# KiCad board Smart LED WS2812B Ring7.kicad_pcb (continued)
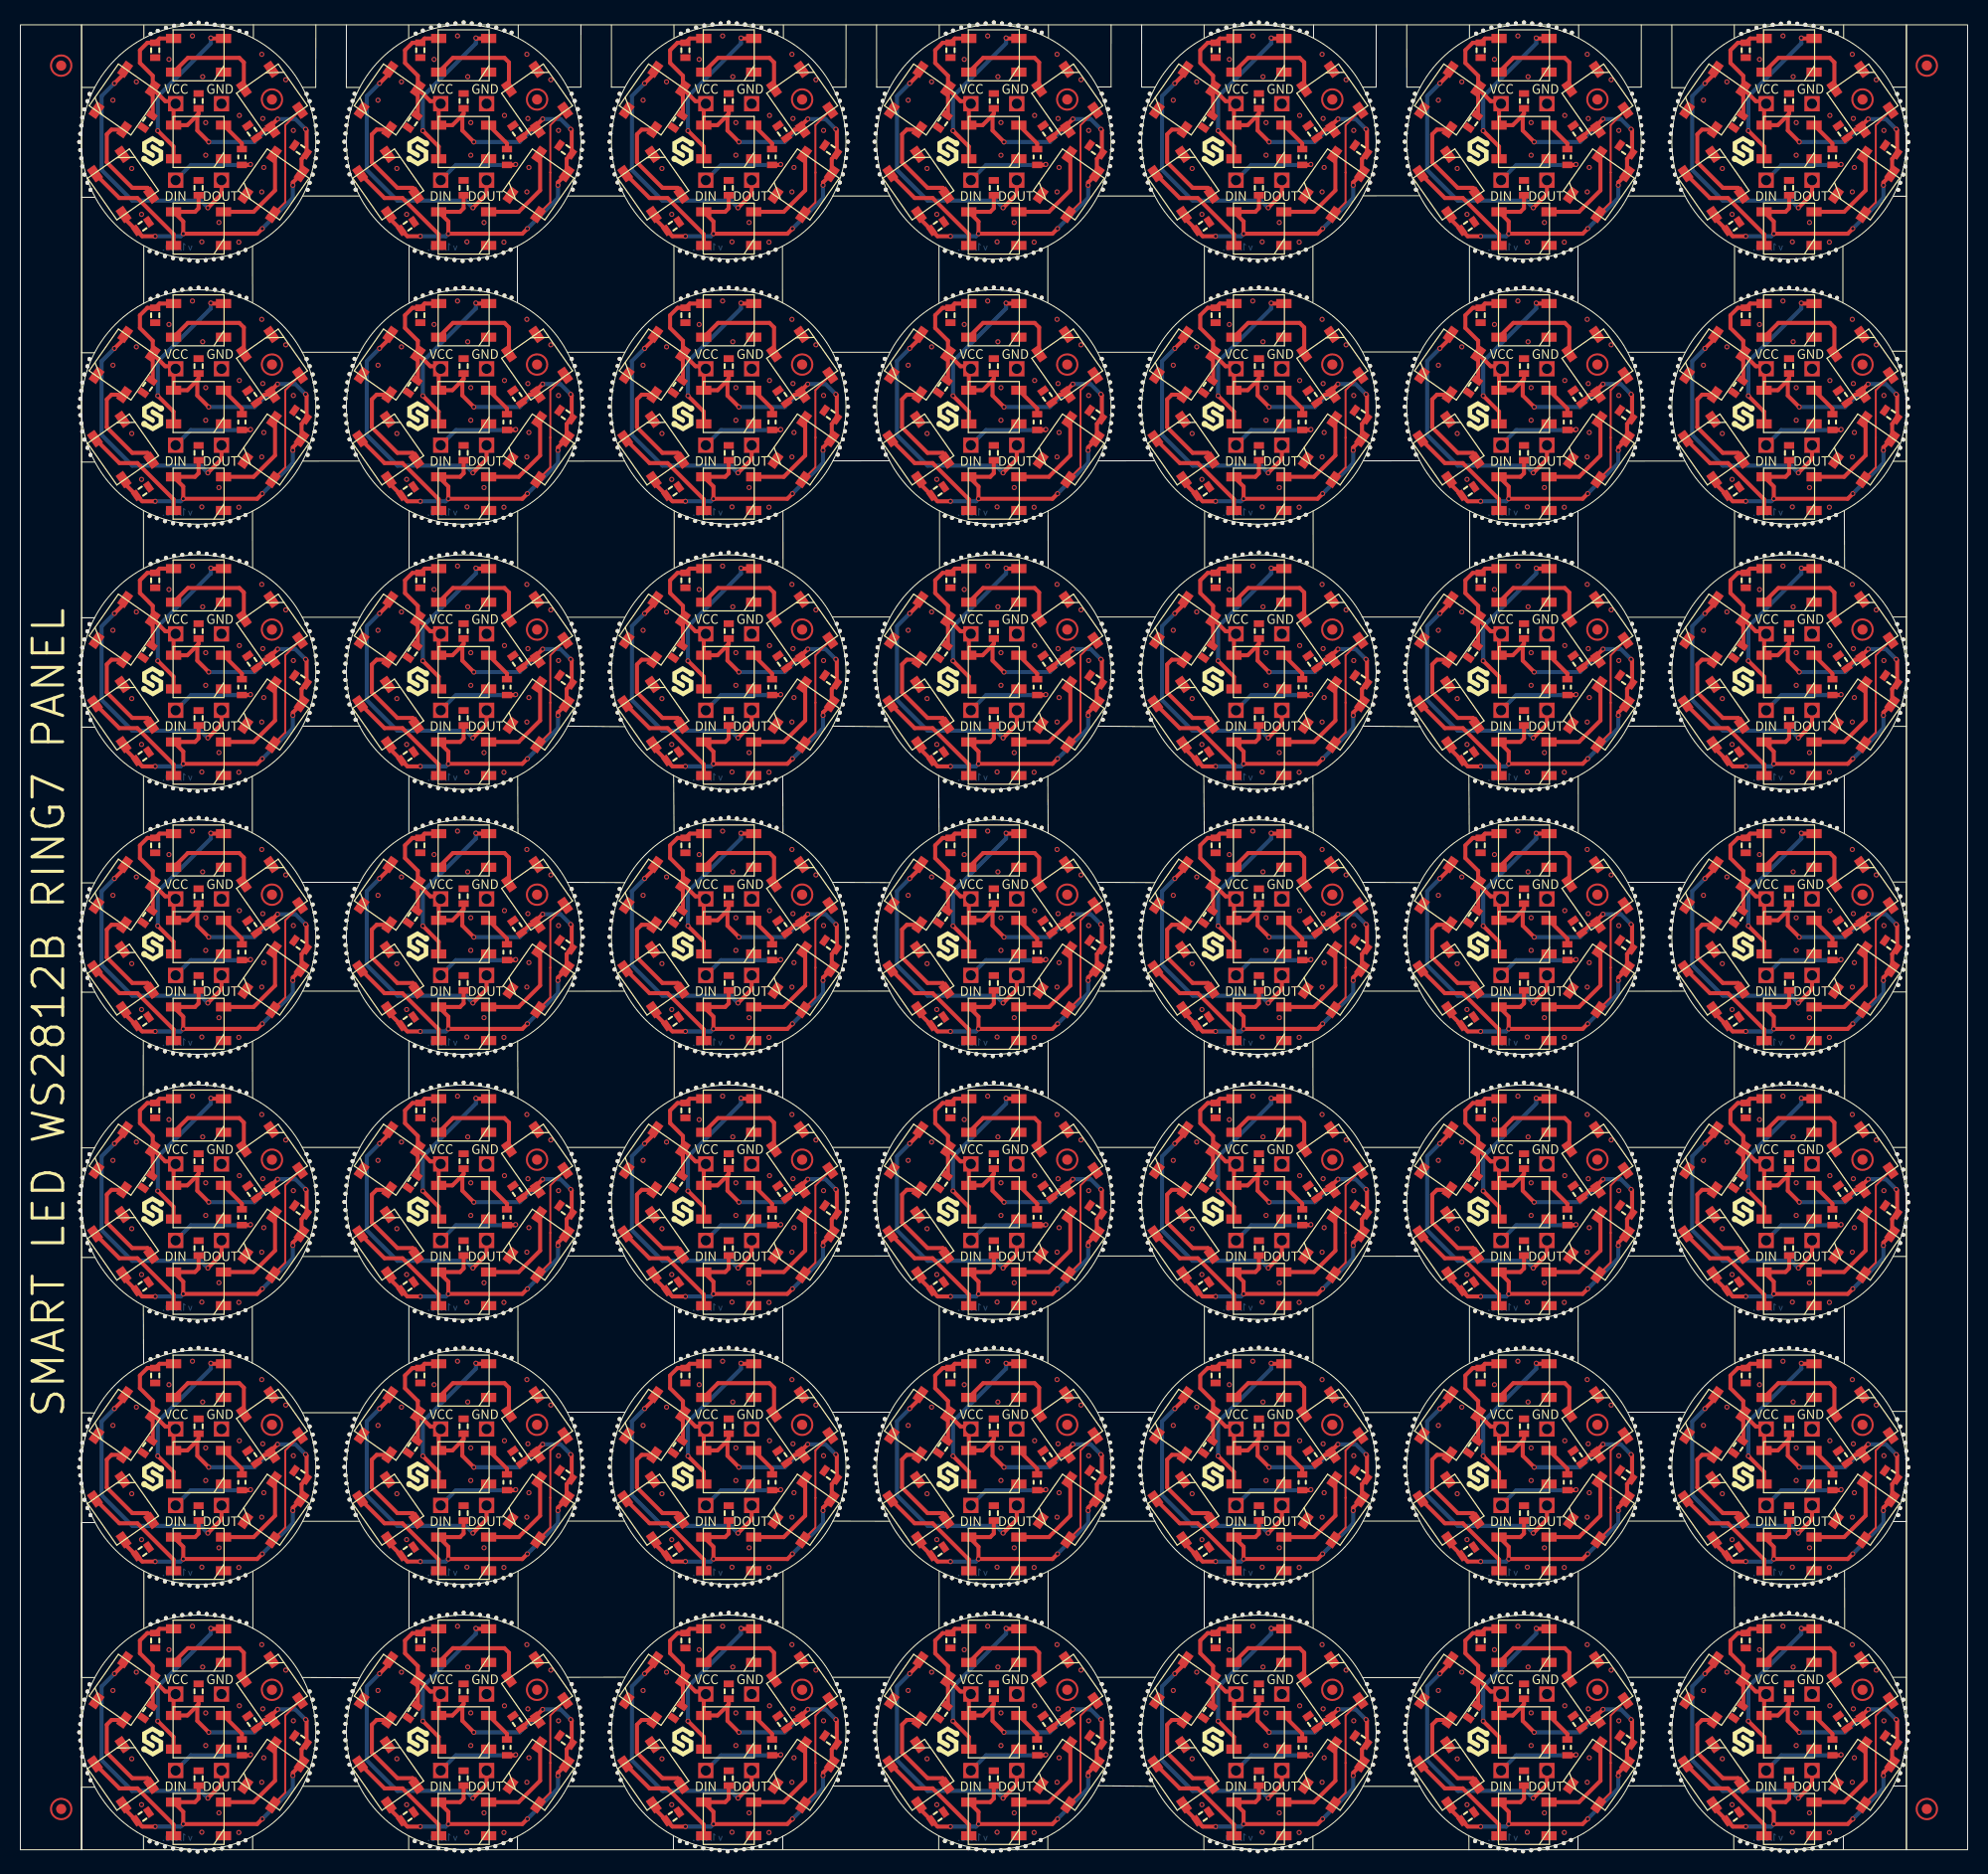
[diagram p0: board, top side]
## Placement (name value [footprint] x y rotation side) (continued)
FD1#51  FIDUCIAL  [FIDUCIAL_23]  76.68 145.7 0 top
FD1#52  FIDUCIAL  [FIDUCIAL_23]  76.68 171.7 0 top
FD1#53  FIDUCIAL  [FIDUCIAL_23]  102.68 119.7 0 top
G***  LOGO  [Logo-Front-Soldered-3mm]  168.97 140.63 0 top
G***#2  LOGO  [Logo-Back-OSH-3.5mm]  121.68 133.33 0 top
G***#3  LOGO  [Logo-Front-Soldered-3mm]  142.97 140.63 0 top
G***#4  LOGO  [Logo-Front-Soldered-3mm]  38.97 36.63 0 top
G***#5  LOGO  [Logo-Front-Soldered-3mm]  142.97 114.63 0 top
G***#6  LOGO  [Logo-Back-OSH-3.5mm]  147.68 159.33 0 top
G***#7  LOGO  [Logo-Back-OSH-3.5mm]  147.68 133.33 0 top
G***#8  LOGO  [Logo-Back-OSH-3.5mm]  121.68 3.33 0 top
G***#9  LOGO  [Logo-Back-OSH-3.5mm]  69.68 81.33 0 top
G***#10  LOGO  [Logo-Front-Soldered-3mm]  142.97 88.63 0 top
G***#11  LOGO  [Logo-Back-OSH-3.5mm]  95.68 107.33 0 top
G***#12  LOGO  [Logo-Back-OSH-3.5mm]  17.67 133.33 0 top
G***#13  LOGO  [Logo-Front-Soldered-3mm]  90.97 114.63 0 top
G***#14  LOGO  [Logo-Back-OSH-3.5mm]  17.67 159.33 0 top
G***#15  LOGO  [Logo-Front-Soldered-3mm]  90.97 88.63 0 top
G***#16  LOGO  [Logo-Back-OSH-3.5mm]  173.68 133.33 0 top
G***#17  LOGO  [Logo-Front-Soldered-3mm]  168.97 114.63 0 top
G***#18  LOGO  [Logo-Back-OSH-3.5mm]  17.67 29.33 0 top
G***#19  LOGO  [Logo-Back-OSH-3.5mm]  95.68 55.33 0 top
G***#20  LOGO  [Logo-Front-Soldered-3mm]  38.97 10.63 0 top
G***#21  LOGO  [Logo-Back-OSH-3.5mm]  17.67 81.33 0 top
G***#22  LOGO  [Logo-Back-OSH-3.5mm]  95.68 81.33 0 top
G***#23  LOGO  [Logo-Back-OSH-3.5mm]  173.68 81.33 0 top
G***#24  LOGO  [Logo-Front-Soldered-3mm]  38.97 88.63 0 top
G***#25  LOGO  [Logo-Back-OSH-3.5mm]  173.68 29.33 0 top
G***#26  LOGO  [Logo-Back-OSH-3.5mm]  95.68 133.33 0 top
G***#27  LOGO  [Logo-Back-OSH-3.5mm]  69.68 107.33 0 top
G***#28  LOGO  [Logo-Back-OSH-3.5mm]  121.68 55.33 0 top
G***#29  LOGO  [Logo-Front-Soldered-3mm]  168.97 166.63 0 top
G***#30  LOGO  [Logo-Front-Soldered-3mm]  90.97 36.63 0 top
G***#31  LOGO  [Logo-Front-Soldered-3mm]  116.97 36.63 0 top
G***#32  LOGO  [Logo-Front-Soldered-3mm]  38.97 140.63 0 top
G***#33  LOGO  [Logo-Back-OSH-3.5mm]  17.67 3.33 0 top
G***#34  LOGO  [Logo-Back-OSH-3.5mm]  173.68 3.33 0 top
G***#35  LOGO  [Logo-Back-OSH-3.5mm]  147.68 3.33 0 top
G***#36  LOGO  [Logo-Back-OSH-3.5mm]  147.68 81.33 0 top
G***#37  LOGO  [Logo-Back-OSH-3.5mm]  121.68 29.33 0 top
G***#38  LOGO  [Logo-Front-Soldered-3mm]  116.97 88.63 0 top
G***#39  LOGO  [Logo-Back-OSH-3.5mm]  147.68 29.33 0 top
G***#40  LOGO  [Logo-Front-Soldered-3mm]  116.97 166.63 0 top
G***#41  LOGO  [Logo-Back-OSH-3.5mm]  121.68 159.33 0 top
G***#42  LOGO  [Logo-Front-Soldered-3mm]  12.97 140.63 0 top
G***#43  LOGO  [Logo-Front-Soldered-3mm]  116.97 114.63 0 top
G***#44  LOGO  [Logo-Front-Soldered-3mm]  64.97 88.63 0 top
G***#45  LOGO  [Logo-Front-Soldered-3mm]  64.97 36.63 0 top
G***#46  LOGO  [Logo-Front-Soldered-3mm]  38.97 114.63 0 top
G***#47  LOGO  [Logo-Back-OSH-3.5mm]  69.68 3.33 0 top
G***#48  LOGO  [Logo-Front-Soldered-3mm]  168.97 36.63 0 top
G***#49  LOGO  [Logo-Back-OSH-3.5mm]  43.67 133.33 0 top
G***#50  LOGO  [Logo-Front-Soldered-3mm]  12.97 62.63 0 top
G***#51  LOGO  [Logo-Front-Soldered-3mm]  12.97 114.63 0 top
G***#52  LOGO  [Logo-Front-Soldered-3mm]  116.97 140.63 0 top
G***#53  LOGO  [Logo-Front-Soldered-3mm]  142.97 36.63 0 top
G***#54  LOGO  [Logo-Front-Soldered-3mm]  116.97 62.63 0 top
G***#55  LOGO  [Logo-Back-OSH-3.5mm]  95.68 29.33 0 top
G***#56  LOGO  [Logo-Back-OSH-3.5mm]  17.67 107.33 0 top
G***#57  LOGO  [Logo-Front-Soldered-3mm]  90.97 140.63 0 top
G***#58  LOGO  [Logo-Front-Soldered-3mm]  64.97 62.63 0 top
G***#59  LOGO  [Logo-Back-OSH-3.5mm]  43.67 81.33 0 top
G***#60  LOGO  [Logo-Front-Soldered-3mm]  38.97 62.63 0 top
G***#61  LOGO  [Logo-Front-Soldered-3mm]  12.97 88.63 0 top
G***#62  LOGO  [Logo-Back-OSH-3.5mm]  69.68 133.33 0 top
G***#63  LOGO  [Logo-Front-Soldered-3mm]  116.97 10.63 0 top
G***#64  LOGO  [Logo-Back-OSH-3.5mm]  173.68 159.33 0 top
G***#65  LOGO  [Logo-Back-OSH-3.5mm]  147.68 55.33 0 top
G***#66  LOGO  [Logo-Front-Soldered-3mm]  90.97 10.63 0 top
G***#67  LOGO  [Logo-Back-OSH-3.5mm]  69.68 159.33 0 top
G***#68  LOGO  [Logo-Front-Soldered-3mm]  142.97 166.63 0 top
G***#69  LOGO  [Logo-Front-Soldered-3mm]  168.97 10.63 0 top
G***#70  LOGO  [Logo-Front-Soldered-3mm]  12.97 36.63 0 top
G***#71  LOGO  [Logo-Front-Soldered-3mm]  90.97 62.63 0 top
G***#72  LOGO  [Logo-Front-Soldered-3mm]  12.97 10.63 0 top
G***#73  LOGO  [Logo-Back-OSH-3.5mm]  95.68 3.33 0 top
G***#74  LOGO  [Logo-Back-OSH-3.5mm]  43.67 107.33 0 top
G***#75  LOGO  [Logo-Front-Soldered-3mm]  64.97 114.63 0 top
G***#76  LOGO  [Logo-Back-OSH-3.5mm]  43.67 3.33 0 top
G***#77  LOGO  [Logo-Back-OSH-3.5mm]  147.68 107.33 0 top
G***#78  LOGO  [Logo-Back-OSH-3.5mm]  121.68 107.33 0 top
G***#79  LOGO  [Logo-Front-Soldered-3mm]  38.97 166.63 0 top
G***#80  LOGO  [Logo-Front-Soldered-3mm]  142.97 62.63 0 top
G***#81  LOGO  [Logo-Back-OSH-3.5mm]  17.67 55.33 0 top
G***#82  LOGO  [Logo-Front-Soldered-3mm]  64.97 140.63 0 top
G***#83  LOGO  [Logo-Front-Soldered-3mm]  142.97 10.63 0 top
G***#84  LOGO  [Logo-Back-OSH-3.5mm]  69.68 55.33 0 top
G***#85  LOGO  [Logo-Back-OSH-3.5mm]  43.67 159.33 0 top
G***#86  LOGO  [Logo-Back-OSH-3.5mm]  121.68 81.33 0 top
G***#87  LOGO  [Logo-Back-OSH-3.5mm]  69.68 29.33 0 top
G***#88  LOGO  [Logo-Front-Soldered-3mm]  64.97 10.63 0 top
G***#89  LOGO  [Logo-Front-Soldered-3mm]  168.97 62.63 0 top
G***#90  LOGO  [Logo-Back-OSH-3.5mm]  173.68 107.33 0 top
G***#91  LOGO  [Logo-Front-Soldered-3mm]  168.97 88.63 0 top
G***#92  LOGO  [Logo-Back-OSH-3.5mm]  173.68 55.33 0 top
G***#93  LOGO  [Logo-Front-Soldered-3mm]  12.97 166.63 0 top
G***#94  LOGO  [Logo-Back-OSH-3.5mm]  43.67 29.33 0 top
G***#95  LOGO  [Logo-Back-OSH-3.5mm]  95.68 159.33 0 top
G***#96  LOGO  [Logo-Front-Soldered-3mm]  90.97 166.63 0 top
G***#97  LOGO  [Logo-Back-OSH-3.5mm]  43.67 55.33 0 top
G***#98  LOGO  [Logo-Front-Soldered-3mm]  64.97 166.63 0 top
kibuzzard-651575D0  G***  [kibuzzard-651575D0]  123.68 6.23 0 top
kibuzzard-651575D0#2  G***  [kibuzzard-651575D0]  19.67 58.23 0 top
kibuzzard-651575D0#3  G***  [kibuzzard-651575D0]  175.68 162.23 0 top
kibuzzard-651575D0#4  G***  [kibuzzard-651575D0]  71.68 58.23 0 top
kibuzzard-651575D0#5  G***  [kibuzzard-651575D0]  175.68 32.23 0 top
kibuzzard-651575D0#6  G***  [kibuzzard-651575D0]  45.67 162.23 0 top
kibuzzard-651575D0#7  G***  [kibuzzard-651575D0]  123.68 162.23 0 top
kibuzzard-651575D0#8  G***  [kibuzzard-651575D0]  19.67 110.23 0 top
kibuzzard-651575D0#9  G***  [kibuzzard-651575D0]  19.67 84.23 0 top
kibuzzard-651575D0#10  G***  [kibuzzard-651575D0]  149.68 6.23 0 top
kibuzzard-651575D0#11  G***  [kibuzzard-651575D0]  45.67 84.23 0 top
kibuzzard-651575D0#12  G***  [kibuzzard-651575D0]  19.67 32.23 0 top
kibuzzard-651575D0#13  G***  [kibuzzard-651575D0]  123.68 110.23 0 top
kibuzzard-651575D0#14  G***  [kibuzzard-651575D0]  123.68 58.23 0 top
kibuzzard-651575D0#15  G***  [kibuzzard-651575D0]  71.68 32.23 0 top
kibuzzard-651575D0#16  G***  [kibuzzard-651575D0]  175.68 6.23 0 top
kibuzzard-651575D0#17  G***  [kibuzzard-651575D0]  71.68 84.23 0 top
kibuzzard-651575D0#18  G***  [kibuzzard-651575D0]  149.68 58.23 0 top
kibuzzard-651575D0#19  G***  [kibuzzard-651575D0]  123.68 32.23 0 top
kibuzzard-651575D0#20  G***  [kibuzzard-651575D0]  19.67 136.23 0 top
kibuzzard-651575D0#21  G***  [kibuzzard-651575D0]  97.68 58.23 0 top
kibuzzard-651575D0#22  G***  [kibuzzard-651575D0]  45.67 110.23 0 top
kibuzzard-651575D0#23  G***  [kibuzzard-651575D0]  71.68 110.23 0 top
kibuzzard-651575D0#24  G***  [kibuzzard-651575D0]  175.68 136.23 0 top
kibuzzard-651575D0#25  G***  [kibuzzard-651575D0]  97.68 6.23 0 top
kibuzzard-651575D0#26  G***  [kibuzzard-651575D0]  175.68 84.23 0 top
kibuzzard-651575D0#27  G***  [kibuzzard-651575D0]  97.68 32.23 0 top
kibuzzard-651575D0#28  G***  [kibuzzard-651575D0]  71.68 6.23 0 top
kibuzzard-651575D0#29  G***  [kibuzzard-651575D0]  19.67 6.23 0 top
kibuzzard-651575D0#30  G***  [kibuzzard-651575D0]  149.68 136.23 0 top
kibuzzard-651575D0#31  G***  [kibuzzard-651575D0]  175.68 110.23 0 top
kibuzzard-651575D0#32  G***  [kibuzzard-651575D0]  45.67 32.23 0 top
kibuzzard-651575D0#33  G***  [kibuzzard-651575D0]  45.67 58.23 0 top
kibuzzard-651575D0#34  G***  [kibuzzard-651575D0]  149.68 162.23 0 top
kibuzzard-651575D0#35  G***  [kibuzzard-651575D0]  123.68 84.23 0 top
kibuzzard-651575D0#36  G***  [kibuzzard-651575D0]  71.68 162.23 0 top
kibuzzard-651575D0#37  G***  [kibuzzard-651575D0]  123.68 136.23 0 top
kibuzzard-651575D0#38  G***  [kibuzzard-651575D0]  45.67 136.23 0 top
kibuzzard-651575D0#39  G***  [kibuzzard-651575D0]  97.68 84.23 0 top
kibuzzard-651575D0#40  G***  [kibuzzard-651575D0]  149.68 110.23 0 top
kibuzzard-651575D0#41  G***  [kibuzzard-651575D0]  97.68 110.23 0 top
kibuzzard-651575D0#42  G***  [kibuzzard-651575D0]  45.67 6.23 0 top
kibuzzard-651575D0#43  G***  [kibuzzard-651575D0]  97.68 162.23 0 top
kibuzzard-651575D0#44  G***  [kibuzzard-651575D0]  97.68 136.23 0 top
kibuzzard-651575D0#45  G***  [kibuzzard-651575D0]  71.68 136.23 0 top
kibuzzard-651575D0#46  G***  [kibuzzard-651575D0]  19.67 162.23 0 top
kibuzzard-651575D0#47  G***  [kibuzzard-651575D0]  149.68 32.23 0 top
kibuzzard-651575D0#48  G***  [kibuzzard-651575D0]  175.68 58.23 0 top
kibuzzard-651575D0#49  G***  [kibuzzard-651575D0]  149.68 84.23 0 top
kibuzzard-651575E0  G***  [kibuzzard-651575E0]  93.22 84.23 0 top
kibuzzard-651575E0#2  G***  [kibuzzard-651575E0]  93.22 6.23 0 top
kibuzzard-651575E0#3  G***  [kibuzzard-651575E0]  145.22 58.23 0 top
kibuzzard-651575E0#4  G***  [kibuzzard-651575E0]  15.22 6.23 0 top
kibuzzard-651575E0#5  G***  [kibuzzard-651575E0]  119.22 32.23 0 top
kibuzzard-651575E0#6  G***  [kibuzzard-651575E0]  15.22 84.23 0 top
kibuzzard-651575E0#7  G***  [kibuzzard-651575E0]  15.22 32.23 0 top
kibuzzard-651575E0#8  G***  [kibuzzard-651575E0]  119.22 84.23 0 top
kibuzzard-651575E0#9  G***  [kibuzzard-651575E0]  93.22 58.23 0 top
kibuzzard-651575E0#10  G***  [kibuzzard-651575E0]  171.22 58.23 0 top
kibuzzard-651575E0#11  G***  [kibuzzard-651575E0]  171.22 6.23 0 top
kibuzzard-651575E0#12  G***  [kibuzzard-651575E0]  67.22 162.23 0 top
kibuzzard-651575E0#13  G***  [kibuzzard-651575E0]  145.22 136.23 0 top
kibuzzard-651575E0#14  G***  [kibuzzard-651575E0]  171.22 32.23 0 top
kibuzzard-651575E0#15  G***  [kibuzzard-651575E0]  67.22 136.23 0 top
kibuzzard-651575E0#16  G***  [kibuzzard-651575E0]  145.22 110.23 0 top
kibuzzard-651575E0#17  G***  [kibuzzard-651575E0]  67.22 58.23 0 top
kibuzzard-651575E0#18  G***  [kibuzzard-651575E0]  119.22 136.23 0 top
kibuzzard-651575E0#19  G***  [kibuzzard-651575E0]  93.22 110.23 0 top
kibuzzard-651575E0#20  G***  [kibuzzard-651575E0]  67.22 6.23 0 top
kibuzzard-651575E0#21  G***  [kibuzzard-651575E0]  119.22 162.23 0 top
kibuzzard-651575E0#22  G***  [kibuzzard-651575E0]  93.22 136.23 0 top
kibuzzard-651575E0#23  G***  [kibuzzard-651575E0]  119.22 58.23 0 top
kibuzzard-651575E0#24  G***  [kibuzzard-651575E0]  15.22 136.23 0 top
kibuzzard-651575E0#25  G***  [kibuzzard-651575E0]  145.22 32.23 0 top
kibuzzard-651575E0#26  G***  [kibuzzard-651575E0]  171.22 84.23 0 top
kibuzzard-651575E0#27  G***  [kibuzzard-651575E0]  41.22 58.23 0 top
kibuzzard-651575E0#28  G***  [kibuzzard-651575E0]  67.22 84.23 0 top
kibuzzard-651575E0#29  G***  [kibuzzard-651575E0]  145.22 162.23 0 top
kibuzzard-651575E0#30  G***  [kibuzzard-651575E0]  145.22 84.23 0 top
kibuzzard-651575E0#31  G***  [kibuzzard-651575E0]  67.22 32.23 0 top
kibuzzard-651575E0#32  G***  [kibuzzard-651575E0]  171.22 162.23 0 top
kibuzzard-651575E0#33  G***  [kibuzzard-651575E0]  15.22 162.23 0 top
kibuzzard-651575E0#34  G***  [kibuzzard-651575E0]  41.22 162.23 0 top
kibuzzard-651575E0#35  G***  [kibuzzard-651575E0]  15.22 110.23 0 top
kibuzzard-651575E0#36  G***  [kibuzzard-651575E0]  171.22 136.23 0 top
kibuzzard-651575E0#37  G***  [kibuzzard-651575E0]  41.22 84.23 0 top
kibuzzard-651575E0#38  G***  [kibuzzard-651575E0]  15.22 58.23 0 top
kibuzzard-651575E0#39  G***  [kibuzzard-651575E0]  145.22 6.23 0 top
kibuzzard-651575E0#40  G***  [kibuzzard-651575E0]  119.22 6.23 0 top
kibuzzard-651575E0#41  G***  [kibuzzard-651575E0]  93.22 162.23 0 top
kibuzzard-651575E0#42  G***  [kibuzzard-651575E0]  41.22 32.23 0 top
kibuzzard-651575E0#43  G***  [kibuzzard-651575E0]  67.22 110.23 0 top
kibuzzard-651575E0#44  G***  [kibuzzard-651575E0]  41.22 110.23 0 top
kibuzzard-651575E0#45  G***  [kibuzzard-651575E0]  119.22 110.23 0 top
kibuzzard-651575E0#46  G***  [kibuzzard-651575E0]  41.22 6.23 0 top
kibuzzard-651575E0#47  G***  [kibuzzard-651575E0]  93.22 32.23 0 top
kibuzzard-651575E0#48  G***  [kibuzzard-651575E0]  41.22 136.23 0 top
kibuzzard-651575E0#49  G***  [kibuzzard-651575E0]  171.22 110.23 0 top
kibuzzard-651575F3  G***  [kibuzzard-651575F3]  71.57 120.73 0 top
kibuzzard-651575F3#2  G***  [kibuzzard-651575F3]  175.57 16.73 0 top
kibuzzard-651575F3#3  G***  [kibuzzard-651575F3]  175.57 42.73 0 top
kibuzzard-651575F3#4  G***  [kibuzzard-651575F3]  97.57 42.73 0 top
kibuzzard-651575F3#5  G***  [kibuzzard-651575F3]  45.58 16.73 0 top
kibuzzard-651575F3#6  G***  [kibuzzard-651575F3]  71.57 94.73 0 top
kibuzzard-651575F3#7  G***  [kibuzzard-651575F3]  175.57 172.73 0 top
kibuzzard-651575F3#8  G***  [kibuzzard-651575F3]  123.57 146.73 0 top
kibuzzard-651575F3#9  G***  [kibuzzard-651575F3]  175.57 146.73 0 top
kibuzzard-651575F3#10  G***  [kibuzzard-651575F3]  97.57 68.73 0 top
kibuzzard-651575F3#11  G***  [kibuzzard-651575F3]  97.57 172.73 0 top
kibuzzard-651575F3#12  G***  [kibuzzard-651575F3]  123.57 172.73 0 top
kibuzzard-651575F3#13  G***  [kibuzzard-651575F3]  123.57 120.73 0 top
kibuzzard-651575F3#14  G***  [kibuzzard-651575F3]  97.57 94.73 0 top
kibuzzard-651575F3#15  G***  [kibuzzard-651575F3]  149.57 120.73 0 top
kibuzzard-651575F3#16  G***  [kibuzzard-651575F3]  175.57 94.73 0 top
kibuzzard-651575F3#17  G***  [kibuzzard-651575F3]  19.58 94.73 0 top
kibuzzard-651575F3#18  G***  [kibuzzard-651575F3]  175.57 68.73 0 top
kibuzzard-651575F3#19  G***  [kibuzzard-651575F3]  45.58 42.73 0 top
kibuzzard-651575F3#20  G***  [kibuzzard-651575F3]  45.58 120.73 0 top
kibuzzard-651575F3#21  G***  [kibuzzard-651575F3]  97.57 16.73 0 top
kibuzzard-651575F3#22  G***  [kibuzzard-651575F3]  123.57 94.73 0 top
kibuzzard-651575F3#23  G***  [kibuzzard-651575F3]  19.58 172.73 0 top
kibuzzard-651575F3#24  G***  [kibuzzard-651575F3]  19.58 68.73 0 top
kibuzzard-651575F3#25  G***  [kibuzzard-651575F3]  97.57 146.73 0 top
kibuzzard-651575F3#26  G***  [kibuzzard-651575F3]  19.58 42.73 0 top
kibuzzard-651575F3#27  G***  [kibuzzard-651575F3]  123.57 42.73 0 top
kibuzzard-651575F3#28  G***  [kibuzzard-651575F3]  71.57 172.73 0 top
kibuzzard-651575F3#29  G***  [kibuzzard-651575F3]  71.57 68.73 0 top
kibuzzard-651575F3#30  G***  [kibuzzard-651575F3]  149.57 94.73 0 top
kibuzzard-651575F3#31  G***  [kibuzzard-651575F3]  45.58 172.73 0 top
kibuzzard-651575F3#32  G***  [kibuzzard-651575F3]  71.57 42.73 0 top
kibuzzard-651575F3#33  G***  [kibuzzard-651575F3]  123.57 16.73 0 top
kibuzzard-651575F3#34  G***  [kibuzzard-651575F3]  19.58 146.73 0 top
kibuzzard-651575F3#35  G***  [kibuzzard-651575F3]  19.58 120.73 0 top
kibuzzard-651575F3#36  G***  [kibuzzard-651575F3]  45.58 68.73 0 top
kibuzzard-651575F3#37  G***  [kibuzzard-651575F3]  123.57 68.73 0 top
kibuzzard-651575F3#38  G***  [kibuzzard-651575F3]  71.57 16.73 0 top
kibuzzard-651575F3#39  G***  [kibuzzard-651575F3]  71.57 146.73 0 top
kibuzzard-651575F3#40  G***  [kibuzzard-651575F3]  19.58 16.73 0 top
kibuzzard-651575F3#41  G***  [kibuzzard-651575F3]  149.57 68.73 0 top
kibuzzard-651575F3#42  G***  [kibuzzard-651575F3]  149.57 16.73 0 top
kibuzzard-651575F3#43  G***  [kibuzzard-651575F3]  175.57 120.73 0 top
kibuzzard-651575F3#44  G***  [kibuzzard-651575F3]  149.57 42.73 0 top
kibuzzard-651575F3#45  G***  [kibuzzard-651575F3]  149.57 172.73 0 top
kibuzzard-651575F3#46  G***  [kibuzzard-651575F3]  45.58 146.73 0 top
kibuzzard-651575F3#47  G***  [kibuzzard-651575F3]  45.58 94.73 0 top
kibuzzard-651575F3#48  G***  [kibuzzard-651575F3]  97.57 120.73 0 top
kibuzzard-651575F3#49  G***  [kibuzzard-651575F3]  149.57 146.73 0 top
kibuzzard-651575FD  G***  [kibuzzard-651575FD]  41.28 172.73 0 top
kibuzzard-651575FD#2  G***  [kibuzzard-651575FD]  145.28 172.73 0 top
kibuzzard-651575FD#3  G***  [kibuzzard-651575FD]  93.28 42.73 0 top
kibuzzard-651575FD#4  G***  [kibuzzard-651575FD]  171.28 172.73 0 top
kibuzzard-651575FD#5  G***  [kibuzzard-651575FD]  145.28 16.73 0 top
kibuzzard-651575FD#6  G***  [kibuzzard-651575FD]  171.28 16.73 0 top
kibuzzard-651575FD#7  G***  [kibuzzard-651575FD]  41.28 16.73 0 top
kibuzzard-651575FD#8  G***  [kibuzzard-651575FD]  41.28 68.73 0 top
kibuzzard-651575FD#9  G***  [kibuzzard-651575FD]  93.28 68.73 0 top
kibuzzard-651575FD#10  G***  [kibuzzard-651575FD]  15.28 94.73 0 top
kibuzzard-651575FD#11  G***  [kibuzzard-651575FD]  119.28 68.73 0 top
kibuzzard-651575FD#12  G***  [kibuzzard-651575FD]  171.28 68.73 0 top
kibuzzard-651575FD#13  G***  [kibuzzard-651575FD]  93.28 172.73 0 top
kibuzzard-651575FD#14  G***  [kibuzzard-651575FD]  145.28 120.73 0 top
kibuzzard-651575FD#15  G***  [kibuzzard-651575FD]  93.28 16.73 0 top
kibuzzard-651575FD#16  G***  [kibuzzard-651575FD]  171.28 146.73 0 top
kibuzzard-651575FD#17  G***  [kibuzzard-651575FD]  93.28 146.73 0 top
kibuzzard-651575FD#18  G***  [kibuzzard-651575FD]  67.28 68.73 0 top
kibuzzard-651575FD#19  G***  [kibuzzard-651575FD]  15.28 68.73 0 top
kibuzzard-651575FD#20  G***  [kibuzzard-651575FD]  15.28 120.73 0 top
kibuzzard-651575FD#21  G***  [kibuzzard-651575FD]  15.28 16.73 0 top
kibuzzard-651575FD#22  G***  [kibuzzard-651575FD]  93.28 120.73 0 top
kibuzzard-651575FD#23  G***  [kibuzzard-651575FD]  41.28 42.73 0 top
kibuzzard-651575FD#24  G***  [kibuzzard-651575FD]  145.28 146.73 0 top
kibuzzard-651575FD#25  G***  [kibuzzard-651575FD]  171.28 94.73 0 top
kibuzzard-651575FD#26  G***  [kibuzzard-651575FD]  145.28 68.73 0 top
kibuzzard-651575FD#27  G***  [kibuzzard-651575FD]  67.28 120.73 0 top
kibuzzard-651575FD#28  G***  [kibuzzard-651575FD]  15.28 146.73 0 top
kibuzzard-651575FD#29  G***  [kibuzzard-651575FD]  15.28 42.73 0 top
kibuzzard-651575FD#30  G***  [kibuzzard-651575FD]  41.28 120.73 0 top
kibuzzard-651575FD#31  G***  [kibuzzard-651575FD]  41.28 146.73 0 top
kibuzzard-651575FD#32  G***  [kibuzzard-651575FD]  119.28 146.73 0 top
kibuzzard-651575FD#33  G***  [kibuzzard-651575FD]  119.28 172.73 0 top
kibuzzard-651575FD#34  G***  [kibuzzard-651575FD]  119.28 120.73 0 top
kibuzzard-651575FD#35  G***  [kibuzzard-651575FD]  119.28 42.73 0 top
kibuzzard-651575FD#36  G***  [kibuzzard-651575FD]  93.28 94.73 0 top
kibuzzard-651575FD#37  G***  [kibuzzard-651575FD]  67.28 16.73 0 top
kibuzzard-651575FD#38  G***  [kibuzzard-651575FD]  145.28 42.73 0 top
kibuzzard-651575FD#39  G***  [kibuzzard-651575FD]  67.28 172.73 0 top
kibuzzard-651575FD#40  G***  [kibuzzard-651575FD]  171.28 42.73 0 top
kibuzzard-651575FD#41  G***  [kibuzzard-651575FD]  119.28 94.73 0 top
kibuzzard-651575FD#42  G***  [kibuzzard-651575FD]  41.28 94.73 0 top
kibuzzard-651575FD#43  G***  [kibuzzard-651575FD]  67.28 146.73 0 top
kibuzzard-651575FD#44  G***  [kibuzzard-651575FD]  171.28 120.73 0 top
kibuzzard-651575FD#45  G***  [kibuzzard-651575FD]  67.28 42.73 0 top
kibuzzard-651575FD#46  G***  [kibuzzard-651575FD]  119.28 16.73 0 top
kibuzzard-651575FD#47  G***  [kibuzzard-651575FD]  145.28 94.73 0 top
kibuzzard-651575FD#48  G***  [kibuzzard-651575FD]  67.28 94.73 0 top
kibuzzard-651575FD#49  G***  [kibuzzard-651575FD]  15.28 172.73 0 top
kibuzzard-6515768A  G***  [kibuzzard-6515768A]  17.58 122.53 180 bottom
kibuzzard-6515768A#2  G***  [kibuzzard-6515768A]  95.57 122.53 180 bottom
kibuzzard-6515768A#3  G***  [kibuzzard-6515768A]  95.57 44.53 180 bottom
kibuzzard-6515768A#4  G***  [kibuzzard-6515768A]  121.57 70.53 180 bottom
kibuzzard-6515768A#5  G***  [kibuzzard-6515768A]  69.57 44.53 180 bottom
kibuzzard-6515768A#6  G***  [kibuzzard-6515768A]  173.57 18.53 180 bottom
kibuzzard-6515768A#7  G***  [kibuzzard-6515768A]  121.57 122.53 180 bottom
kibuzzard-6515768A#8  G***  [kibuzzard-6515768A]  121.57 18.53 180 bottom
kibuzzard-6515768A#9  G***  [kibuzzard-6515768A]  69.57 122.53 180 bottom
kibuzzard-6515768A#10  G***  [kibuzzard-6515768A]  17.58 148.53 180 bottom
kibuzzard-6515768A#11  G***  [kibuzzard-6515768A]  95.57 174.53 180 bottom
kibuzzard-6515768A#12  G***  [kibuzzard-6515768A]  173.57 96.53 180 bottom
kibuzzard-6515768A#13  G***  [kibuzzard-6515768A]  147.57 148.53 180 bottom
kibuzzard-6515768A#14  G***  [kibuzzard-6515768A]  43.58 96.53 180 bottom
kibuzzard-6515768A#15  G***  [kibuzzard-6515768A]  17.58 174.53 180 bottom
kibuzzard-6515768A#16  G***  [kibuzzard-6515768A]  69.57 148.53 180 bottom
kibuzzard-6515768A#17  G***  [kibuzzard-6515768A]  173.57 70.53 180 bottom
kibuzzard-6515768A#18  G***  [kibuzzard-6515768A]  147.57 70.53 180 bottom
kibuzzard-6515768A#19  G***  [kibuzzard-6515768A]  69.57 96.53 180 bottom
kibuzzard-6515768A#20  G***  [kibuzzard-6515768A]  147.57 122.53 180 bottom
kibuzzard-6515768A#21  G***  [kibuzzard-6515768A]  17.58 70.53 180 bottom
kibuzzard-6515768A#22  G***  [kibuzzard-6515768A]  43.58 18.53 180 bottom
kibuzzard-6515768A#23  G***  [kibuzzard-6515768A]  147.57 18.53 180 bottom
kibuzzard-6515768A#24  G***  [kibuzzard-6515768A]  69.57 18.53 180 bottom
kibuzzard-6515768A#25  G***  [kibuzzard-6515768A]  147.57 44.53 180 bottom
kibuzzard-6515768A#26  G***  [kibuzzard-6515768A]  17.58 96.53 180 bottom
kibuzzard-6515768A#27  G***  [kibuzzard-6515768A]  95.57 148.53 180 bottom
kibuzzard-6515768A#28  G***  [kibuzzard-6515768A]  95.57 96.53 180 bottom
kibuzzard-6515768A#29  G***  [kibuzzard-6515768A]  43.58 70.53 180 bottom
kibuzzard-6515768A#30  G***  [kibuzzard-6515768A]  43.58 44.53 180 bottom
kibuzzard-6515768A#31  G***  [kibuzzard-6515768A]  43.58 148.53 180 bottom
kibuzzard-6515768A#32  G***  [kibuzzard-6515768A]  69.57 70.53 180 bottom
kibuzzard-6515768A#33  G***  [kibuzzard-6515768A]  121.57 44.53 180 bottom
kibuzzard-6515768A#34  G***  [kibuzzard-6515768A]  69.57 174.53 180 bottom
kibuzzard-6515768A#35  G***  [kibuzzard-6515768A]  43.58 122.53 180 bottom
kibuzzard-6515768A#36  G***  [kibuzzard-6515768A]  43.58 174.53 180 bottom
kibuzzard-6515768A#37  G***  [kibuzzard-6515768A]  173.57 148.53 180 bottom
kibuzzard-6515768A#38  G***  [kibuzzard-6515768A]  147.57 96.53 180 bottom
kibuzzard-6515768A#39  G***  [kibuzzard-6515768A]  17.58 18.53 180 bottom
kibuzzard-6515768A#40  G***  [kibuzzard-6515768A]  173.57 122.53 180 bottom
kibuzzard-6515768A#41  G***  [kibuzzard-6515768A]  121.57 174.53 180 bottom
kibuzzard-6515768A#42  G***  [kibuzzard-6515768A]  95.57 18.53 180 bottom
kibuzzard-6515768A#43  G***  [kibuzzard-6515768A]  95.57 70.53 180 bottom
kibuzzard-6515768A#44  G***  [kibuzzard-6515768A]  121.57 148.53 180 bottom
kibuzzard-6515768A#45  G***  [kibuzzard-6515768A]  17.58 44.53 180 bottom
kibuzzard-6515768A#46  G***  [kibuzzard-6515768A]  173.57 44.53 180 bottom
kibuzzard-6515768A#47  G***  [kibuzzard-6515768A]  147.57 174.53 180 bottom
kibuzzard-6515768A#48  G***  [kibuzzard-6515768A]  121.57 96.53 180 bottom
kibuzzard-6515768A#49  G***  [kibuzzard-6515768A]  173.57 174.53 180 bottom
kibuzzard-65157673  G***  [kibuzzard-65157673]  17.47 124.53 180 bottom
kibuzzard-65157673#2  G***  [kibuzzard-65157673]  147.47 46.53 180 bottom
kibuzzard-65157673#3  G***  [kibuzzard-65157673]  17.47 46.53 180 bottom
kibuzzard-65157673#4  G***  [kibuzzard-65157673]  69.47 98.53 180 bottom
kibuzzard-65157673#5  G***  [kibuzzard-65157673]  121.47 20.53 180 bottom
kibuzzard-65157673#6  G***  [kibuzzard-65157673]  69.47 72.53 180 bottom
kibuzzard-65157673#7  G***  [kibuzzard-65157673]  121.47 98.53 180 bottom
kibuzzard-65157673#8  G***  [kibuzzard-65157673]  147.47 98.53 180 bottom
kibuzzard-65157673#9  G***  [kibuzzard-65157673]  43.47 150.53 180 bottom
kibuzzard-65157673#10  G***  [kibuzzard-65157673]  121.47 46.53 180 bottom
kibuzzard-65157673#11  G***  [kibuzzard-65157673]  173.47 46.53 180 bottom
kibuzzard-65157673#12  G***  [kibuzzard-65157673]  173.47 20.53 180 bottom
kibuzzard-65157673#13  G***  [kibuzzard-65157673]  121.47 150.53 180 bottom
kibuzzard-65157673#14  G***  [kibuzzard-65157673]  121.47 124.53 180 bottom
kibuzzard-65157673#15  G***  [kibuzzard-65157673]  173.47 150.53 180 bottom
kibuzzard-65157673#16  G***  [kibuzzard-65157673]  95.47 176.53 180 bottom
kibuzzard-65157673#17  G***  [kibuzzard-65157673]  121.47 176.53 180 bottom
kibuzzard-65157673#18  G***  [kibuzzard-65157673]  43.47 98.53 180 bottom
kibuzzard-65157673#19  G***  [kibuzzard-65157673]  69.47 150.53 180 bottom
kibuzzard-65157673#20  G***  [kibuzzard-65157673]  69.47 20.53 180 bottom
kibuzzard-65157673#21  G***  [kibuzzard-65157673]  17.47 176.53 180 bottom
kibuzzard-65157673#22  G***  [kibuzzard-65157673]  173.47 72.53 180 bottom
kibuzzard-65157673#23  G***  [kibuzzard-65157673]  95.47 20.53 180 bottom
kibuzzard-65157673#24  G***  [kibuzzard-65157673]  95.47 46.53 180 bottom
kibuzzard-65157673#25  G***  [kibuzzard-65157673]  17.47 98.53 180 bottom
kibuzzard-65157673#26  G***  [kibuzzard-65157673]  147.47 72.53 180 bottom
kibuzzard-65157673#27  G***  [kibuzzard-65157673]  173.47 176.53 180 bottom
kibuzzard-65157673#28  G***  [kibuzzard-65157673]  95.47 150.53 180 bottom
kibuzzard-65157673#29  G***  [kibuzzard-65157673]  147.47 124.53 180 bottom
kibuzzard-65157673#30  G***  [kibuzzard-65157673]  147.47 176.53 180 bottom
kibuzzard-65157673#31  G***  [kibuzzard-65157673]  43.47 20.53 180 bottom
kibuzzard-65157673#32  G***  [kibuzzard-65157673]  69.47 124.53 180 bottom
kibuzzard-65157673#33  G***  [kibuzzard-65157673]  147.47 150.53 180 bottom
kibuzzard-65157673#34  G***  [kibuzzard-65157673]  173.47 124.53 180 bottom
kibuzzard-65157673#35  G***  [kibuzzard-65157673]  17.47 20.53 180 bottom
kibuzzard-65157673#36  G***  [kibuzzard-65157673]  43.47 176.53 180 bottom
kibuzzard-65157673#37  G***  [kibuzzard-65157673]  95.47 98.53 180 bottom
kibuzzard-65157673#38  G***  [kibuzzard-65157673]  173.47 98.53 180 bottom
kibuzzard-65157673#39  G***  [kibuzzard-65157673]  43.47 46.53 180 bottom
kibuzzard-65157673#40  G***  [kibuzzard-65157673]  95.47 72.53 180 bottom
kibuzzard-65157673#41  G***  [kibuzzard-65157673]  95.47 124.53 180 bottom
kibuzzard-65157673#42  G***  [kibuzzard-65157673]  17.47 150.53 180 bottom
kibuzzard-65157673#43  G***  [kibuzzard-65157673]  43.47 72.53 180 bottom
kibuzzard-65157673#44  G***  [kibuzzard-65157673]  69.47 46.53 180 bottom
kibuzzard-65157673#45  G***  [kibuzzard-65157673]  43.47 124.53 180 bottom
kibuzzard-65157673#46  G***  [kibuzzard-65157673]  69.47 176.53 180 bottom
kibuzzard-65157673#47  G***  [kibuzzard-65157673]  121.47 72.53 180 bottom
kibuzzard-65157673#48  G***  [kibuzzard-65157673]  147.47 20.53 180 bottom
kibuzzard-65157673#49  G***  [kibuzzard-65157673]  17.47 72.53 180 bottom
kibuzzard-65157800  G***  [kibuzzard-65157800]  22.58 15.23 180 bottom
kibuzzard-65157800#2  G***  [kibuzzard-65157800]  126.57 15.23 180 bottom
kibuzzard-65157800#3  G***  [kibuzzard-65157800]  74.57 145.23 180 bottom
kibuzzard-65157800#4  G***  [kibuzzard-65157800]  48.58 145.23 180 bottom
kibuzzard-65157800#5  G***  [kibuzzard-65157800]  178.57 41.23 180 bottom
kibuzzard-65157800#6  G***  [kibuzzard-65157800]  178.57 171.23 180 bottom
kibuzzard-65157800#7  G***  [kibuzzard-65157800]  152.57 15.23 180 bottom
kibuzzard-65157800#8  G***  [kibuzzard-65157800]  178.57 67.23 180 bottom
kibuzzard-65157800#9  G***  [kibuzzard-65157800]  74.57 93.23 180 bottom
kibuzzard-65157800#10  G***  [kibuzzard-65157800]  48.58 67.23 180 bottom
kibuzzard-65157800#11  G***  [kibuzzard-65157800]  152.57 119.23 180 bottom
kibuzzard-65157800#12  G***  [kibuzzard-65157800]  126.57 119.23 180 bottom
kibuzzard-65157800#13  G***  [kibuzzard-65157800]  178.57 93.23 180 bottom
kibuzzard-65157800#14  G***  [kibuzzard-65157800]  126.57 145.23 180 bottom
kibuzzard-65157800#15  G***  [kibuzzard-65157800]  152.57 41.23 180 bottom
kibuzzard-65157800#16  G***  [kibuzzard-65157800]  178.57 145.23 180 bottom
kibuzzard-65157800#17  G***  [kibuzzard-65157800]  48.58 93.23 180 bottom
kibuzzard-65157800#18  G***  [kibuzzard-65157800]  126.57 93.23 180 bottom
kibuzzard-65157800#19  G***  [kibuzzard-65157800]  22.58 41.23 180 bottom
kibuzzard-65157800#20  G***  [kibuzzard-65157800]  152.57 145.23 180 bottom
kibuzzard-65157800#21  G***  [kibuzzard-65157800]  126.57 171.23 180 bottom
kibuzzard-65157800#22  G***  [kibuzzard-65157800]  126.57 67.23 180 bottom
kibuzzard-65157800#23  G***  [kibuzzard-65157800]  48.58 171.23 180 bottom
kibuzzard-65157800#24  G***  [kibuzzard-65157800]  74.57 171.23 180 bottom
kibuzzard-65157800#25  G***  [kibuzzard-65157800]  22.58 171.23 180 bottom
kibuzzard-65157800#26  G***  [kibuzzard-65157800]  152.57 93.23 180 bottom
kibuzzard-65157800#27  G***  [kibuzzard-65157800]  100.57 171.23 180 bottom
kibuzzard-65157800#28  G***  [kibuzzard-65157800]  152.57 171.23 180 bottom
kibuzzard-65157800#29  G***  [kibuzzard-65157800]  22.58 93.23 180 bottom
kibuzzard-65157800#30  G***  [kibuzzard-65157800]  48.58 119.23 180 bottom
kibuzzard-65157800#31  G***  [kibuzzard-65157800]  126.57 41.23 180 bottom
kibuzzard-65157800#32  G***  [kibuzzard-65157800]  152.57 67.23 180 bottom
kibuzzard-65157800#33  G***  [kibuzzard-65157800]  22.58 119.23 180 bottom
kibuzzard-65157800#34  G***  [kibuzzard-65157800]  100.57 15.23 180 bottom
kibuzzard-65157800#35  G***  [kibuzzard-65157800]  100.57 41.23 180 bottom
kibuzzard-65157800#36  G***  [kibuzzard-65157800]  74.57 15.23 180 bottom
kibuzzard-65157800#37  G***  [kibuzzard-65157800]  48.58 15.23 180 bottom
kibuzzard-65157800#38  G***  [kibuzzard-65157800]  100.57 93.23 180 bottom
kibuzzard-65157800#39  G***  [kibuzzard-65157800]  22.58 145.23 180 bottom
kibuzzard-65157800#40  G***  [kibuzzard-65157800]  74.57 119.23 180 bottom
kibuzzard-65157800#41  G***  [kibuzzard-65157800]  178.57 119.23 180 bottom
kibuzzard-65157800#42  G***  [kibuzzard-65157800]  48.58 41.23 180 bottom
kibuzzard-65157800#43  G***  [kibuzzard-65157800]  100.57 119.23 180 bottom
kibuzzard-65157800#44  G***  [kibuzzard-65157800]  100.57 145.23 180 bottom
kibuzzard-65157800#45  G***  [kibuzzard-65157800]  178.57 15.23 180 bottom
kibuzzard-65157800#46  G***  [kibuzzard-65157800]  74.57 41.23 180 bottom
kibuzzard-65157800#47  G***  [kibuzzard-65157800]  74.57 67.23 180 bottom
kibuzzard-65157800#48  G***  [kibuzzard-65157800]  100.57 67.23 180 bottom
kibuzzard-65157800#49  G***  [kibuzzard-65157800]  22.58 67.23 180 bottom
kibuzzard-65157813  G***  [kibuzzard-65157813]  90.28 15.23 180 bottom
kibuzzard-65157813#2  G***  [kibuzzard-65157813]  38.28 93.23 180 bottom
kibuzzard-65157813#3  G***  [kibuzzard-65157813]  64.28 145.23 180 bottom
kibuzzard-65157813#4  G***  [kibuzzard-65157813]  64.28 171.23 180 bottom
kibuzzard-65157813#5  G***  [kibuzzard-65157813]  142.28 67.23 180 bottom
kibuzzard-65157813#6  G***  [kibuzzard-65157813]  142.28 145.23 180 bottom
kibuzzard-65157813#7  G***  [kibuzzard-65157813]  116.28 171.23 180 bottom
kibuzzard-65157813#8  G***  [kibuzzard-65157813]  116.28 119.23 180 bottom
kibuzzard-65157813#9  G***  [kibuzzard-65157813]  38.28 145.23 180 bottom
kibuzzard-65157813#10  G***  [kibuzzard-65157813]  168.28 15.23 180 bottom
kibuzzard-65157813#11  G***  [kibuzzard-65157813]  12.28 119.23 180 bottom
kibuzzard-65157813#12  G***  [kibuzzard-65157813]  142.28 171.23 180 bottom
kibuzzard-65157813#13  G***  [kibuzzard-65157813]  116.28 15.23 180 bottom
kibuzzard-65157813#14  G***  [kibuzzard-65157813]  142.28 41.23 180 bottom
kibuzzard-65157813#15  G***  [kibuzzard-65157813]  12.28 145.23 180 bottom
kibuzzard-65157813#16  G***  [kibuzzard-65157813]  142.28 119.23 180 bottom
kibuzzard-65157813#17  G***  [kibuzzard-65157813]  90.28 171.23 180 bottom
kibuzzard-65157813#18  G***  [kibuzzard-65157813]  12.28 41.23 180 bottom
kibuzzard-65157813#19  G***  [kibuzzard-65157813]  64.28 93.23 180 bottom
kibuzzard-65157813#20  G***  [kibuzzard-65157813]  90.28 67.23 180 bottom
kibuzzard-65157813#21  G***  [kibuzzard-65157813]  90.28 145.23 180 bottom
kibuzzard-65157813#22  G***  [kibuzzard-65157813]  142.28 15.23 180 bottom
kibuzzard-65157813#23  G***  [kibuzzard-65157813]  64.28 67.23 180 bottom
kibuzzard-65157813#24  G***  [kibuzzard-65157813]  116.28 145.23 180 bottom
kibuzzard-65157813#25  G***  [kibuzzard-65157813]  142.28 93.23 180 bottom
kibuzzard-65157813#26  G***  [kibuzzard-65157813]  90.28 93.23 180 bottom
kibuzzard-65157813#27  G***  [kibuzzard-65157813]  168.28 171.23 180 bottom
kibuzzard-65157813#28  G***  [kibuzzard-65157813]  12.28 93.23 180 bottom
